# Altium PCB A8_multiple.PcbDoc (part 3 of 10)
Units mm, origin at the board's own origin, x right, y up, seen from the top; angles counter-clockwise.
Board outline 140 x 140 mm, 2 copper layers (Top Layer, Bottom Layer); 80 components, 0 nets, 928 pads, 160 vias.
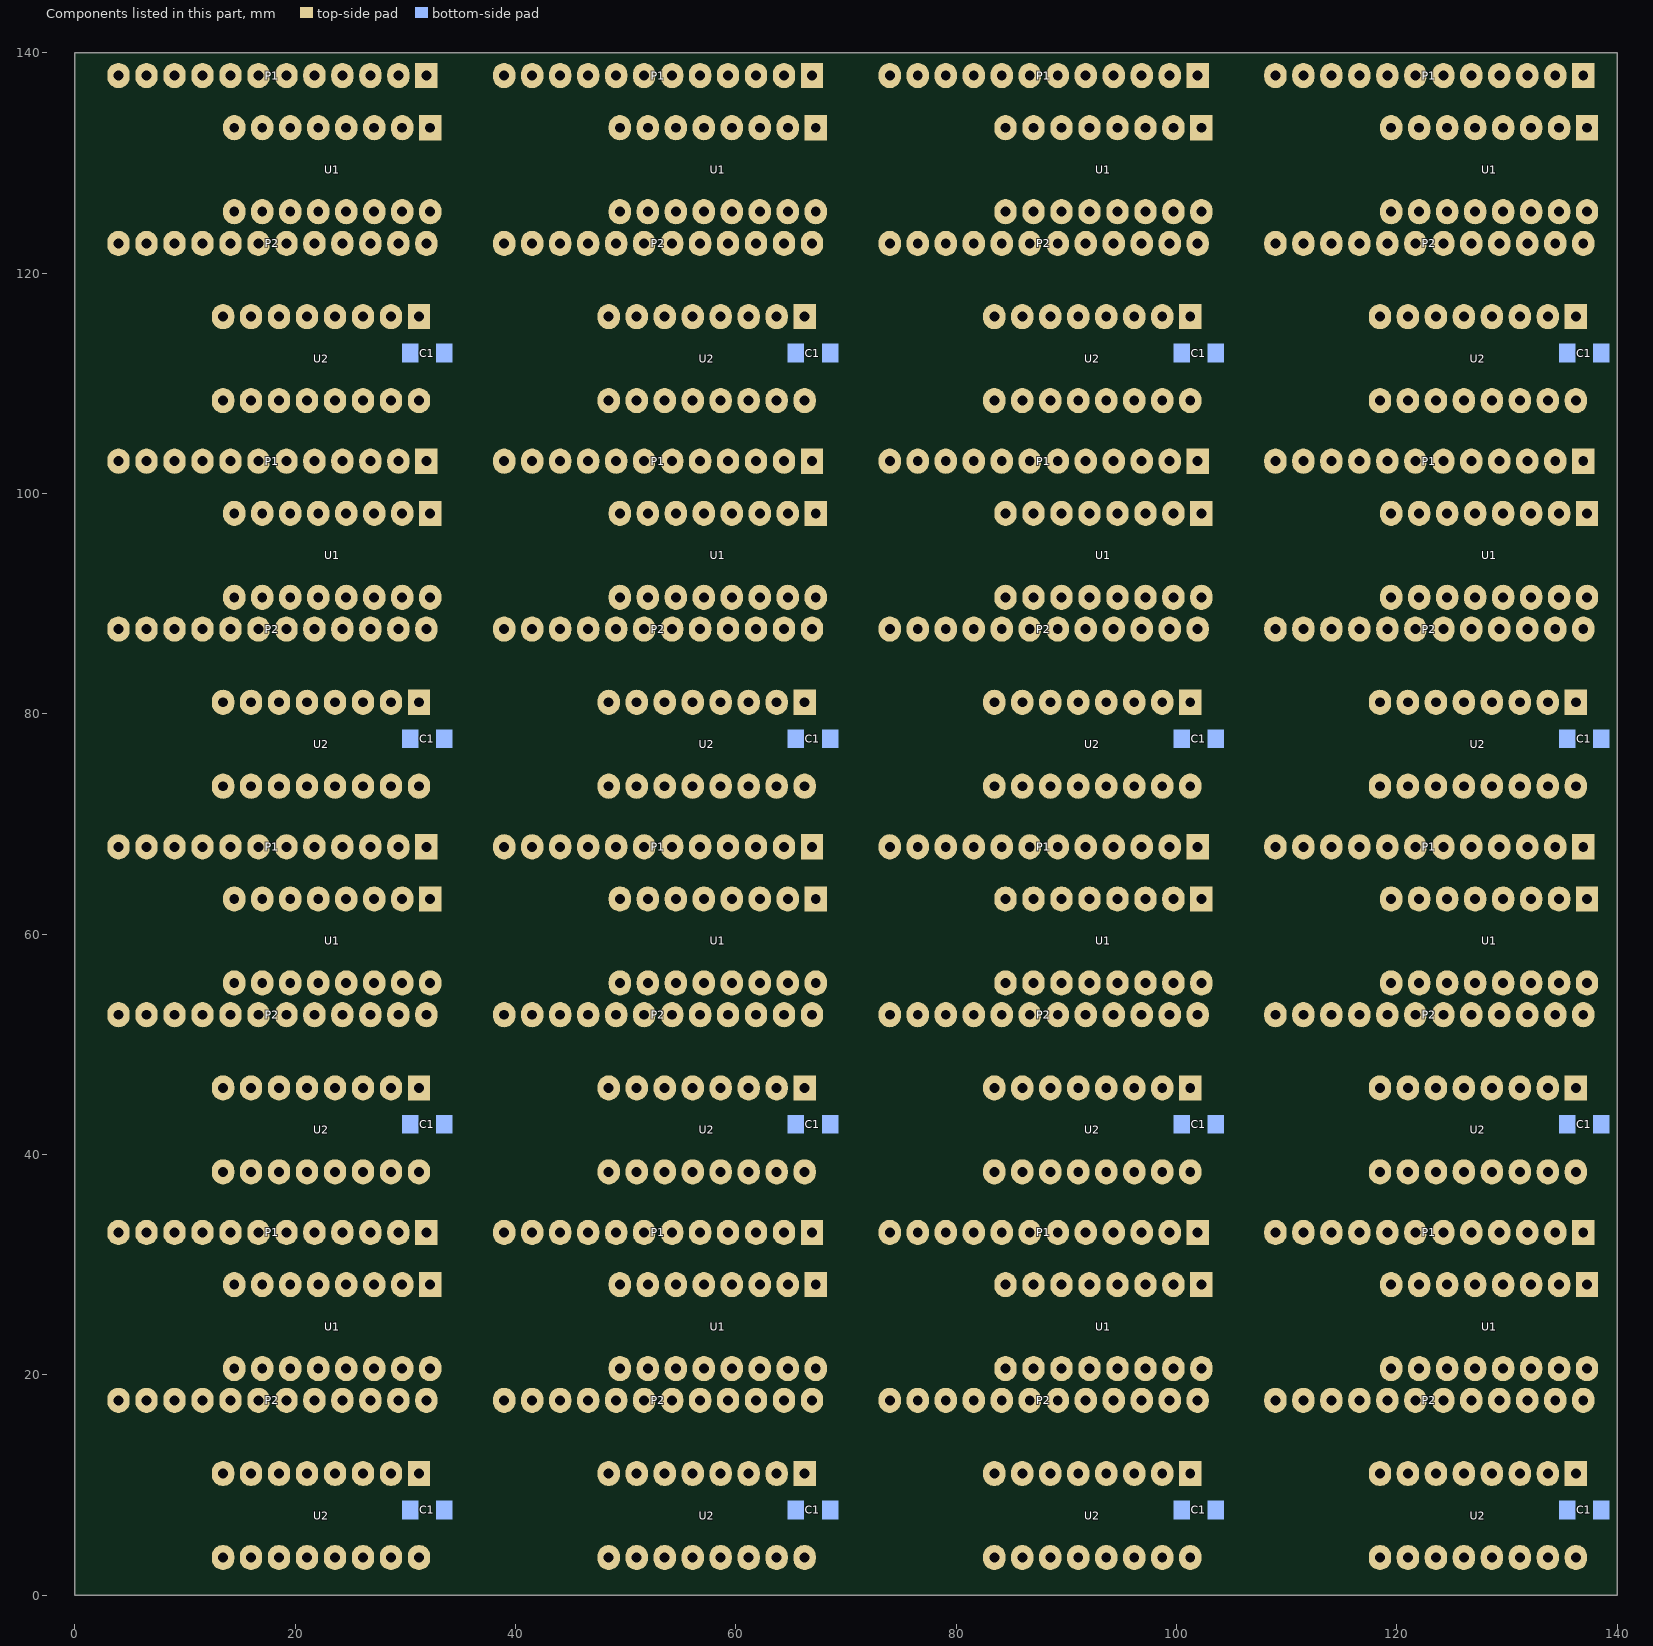
[diagram p3: the components of this part, seen from the top]

## Via types
v1: diameter 2.032, hole 0.711, Top Layer to Bottom Layer, 160 vias

## Nets (pads, with @x,y where several pads share a name; then routed paths per layer and width w, separated by ;. In a path a pad name is that pad's centre, name@x,y a point inside that pad or via, vN(x,y) a via of type N, cw(c..) or ccw(c..) an arc to the next point about the centre after c; other vN are vias at no path point) (continued)
copper on no net: (continued)
  Bottom Layer w0.406: 63.127,46.751 ccw(c61.74,48.138) 63.702,48.138 ccw(c65.664,48.138) 64.277,46.751 ; 63.127,74.131 ccw(c61.74,75.518) 63.702,75.518 ccw(c65.664,75.518) 64.277,74.131 ; 63.127,81.751 ccw(c61.74,83.138) 63.702,83.138 ccw(c65.664,83.138) 64.277,81.751 ; 63.127,109.131 ccw(c61.74,110.518) 63.702,110.518 ccw(c65.664,110.518) 64.277,109.131 ; 63.127,116.751 ccw(c61.74,118.138) 63.702,118.138 ccw(c65.664,118.138) 64.277,116.751 ; 63.702,3.429 63.702,5.715 61.543,7.874 54.177,7.874 52.907,9.144 47.635,9.144 46.684,10.095 46.684,12.09 48.564,13.97 51.002,13.97 52.907,15.875 53.707,15.875 54.215,16.383 ; 63.702,11.049 63.702,13.843 62.559,14.986 62.559,15.621 ; 63.702,38.429 63.702,40.715 61.543,42.874 54.177,42.874 52.907,44.144 47.635,44.144 46.684,45.095 46.684,47.09 48.564,48.97 51.002,48.97 52.907,50.875 53.707,50.875 54.215,51.383 ; 63.702,46.049 63.702,48.843 62.559,49.986 62.559,50.621 ; 63.702,73.429 63.702,75.715 61.543,77.874 54.177,77.874 52.907,79.144 47.635,79.144 46.684,80.095 46.684,82.09 48.564,83.97 51.002,83.97 52.907,85.875 53.707,85.875 54.215,86.383 ; 63.702,81.049 63.702,83.843 62.559,84.986 62.559,85.621 ; 63.702,108.429 63.702,110.715 61.543,112.874 54.177,112.874 52.907,114.144 47.635,114.144 46.684,115.095 46.684,117.09 48.564,118.97 51.002,118.97 52.907,120.875 53.707,120.875 54.215,121.383 ; 63.702,116.049 63.702,118.843 62.559,119.986 62.559,120.621 ; 64.316,21.408 ccw(c63.924,22.098) 64.718,22.098 ; 64.316,56.408 ccw(c63.924,57.098) 64.718,57.098 ; 64.316,91.408 ccw(c63.924,92.098) 64.718,92.098 ; 64.316,126.408 ccw(c63.924,127.098) 64.718,127.098 ; 64.718,20.574 64.718,22.098 ; 64.718,55.574 64.718,57.098 ; 64.718,90.574 64.718,92.098 ; 64.718,125.574 64.718,127.098 ; 65.12,21.408 cw(c65.512,22.098) 64.718,22.098 ; 65.12,56.408 cw(c65.512,57.098) 64.718,57.098 ; 65.12,91.408 cw(c65.512,92.098) 64.718,92.098 ; 65.12,126.408 cw(c65.512,127.098) 64.718,127.098 ; v1@73.362,15.434 ccw(c71.883,16.913) 73.975,16.913 ; v1@73.362,50.434 ccw(c71.883,51.913) 73.975,51.913 ; v1@73.362,85.434 ccw(c71.883,86.913) 73.975,86.913 ; v1@73.362,120.434 ccw(c71.883,121.913) 73.975,121.913 ; 73.4,16.989 cw(c72.013,15.602) 73.975,15.602 cw(c75.937,15.602) 74.55,16.989 ; 73.4,51.989 cw(c72.013,50.602) 73.975,50.602 cw(c75.937,50.602) 74.55,51.989 ; 73.4,86.989 cw(c72.013,85.602) 73.975,85.602 cw(c75.937,85.602) 74.55,86.989 ; 73.4,121.989 cw(c72.013,120.602) 73.975,120.602 cw(c75.937,120.602) 74.55,121.989 ; v1@73.546,15.572 ccw(c73.281,16.057) 73.815,16.2 ccw(c74.768,16.455) v1@74.312,15.58 ; v1@73.546,50.572 ccw(c73.281,51.057) 73.815,51.2 ccw(c74.768,51.455) v1@74.312,50.58 ; v1@73.546,85.572 ccw(c73.281,86.057) 73.815,86.2 ccw(c74.768,86.455) v1@74.312,85.58 ; v1@73.546,120.572 ccw(c73.281,121.057) 73.815,121.2 ccw(c74.768,121.455) v1@74.312,120.58 ; v1@73.569,15.584 ccw(c73.04,16.625) 74.168,16.323 ccw(c74.934,16.117) v1@74.442,15.496 ; v1@73.569,50.584 ccw(c73.04,51.625) 74.168,51.323 ccw(c74.934,51.117) v1@74.442,50.496 ; v1@73.569,85.584 ccw(c73.04,86.625) 74.168,86.323 ccw(c74.934,86.117) v1@74.442,85.496 ; v1@73.569,120.584 ccw(c73.04,121.625) 74.168,121.323 ccw(c74.934,121.117) v1@74.442,120.496 ; v1@73.65,15.146 ccw(c72.864,15.932) 73.975,15.932 ; v1@73.65,50.146 ccw(c72.864,50.932) 73.975,50.932 ; v1@73.65,85.146 ccw(c72.864,85.932) 73.975,85.932 ; v1@73.65,120.146 ccw(c72.864,120.932) 73.975,120.932 ; v1@73.87,27.746 cw(c72.483,26.359) 74.445,26.359 cw(c76.407,26.359) v1@75.02,27.746 ; v1@73.87,62.746 cw(c72.483,61.359) 74.445,61.359 cw(c76.407,61.359) v1@75.02,62.746 ; v1@73.87,97.746 cw(c72.483,96.359) 74.445,96.359 cw(c76.407,96.359) v1@75.02,97.746 ; v1@73.87,132.746 cw(c72.483,131.359) 74.445,131.359 cw(c76.407,131.359) v1@75.02,132.746 ; 73.975,16.73 ccw(c75.808,16.73) v1@74.512,15.434 ; 73.975,17.691 73.975,15.113 73.937,15.113 v1@74.064,14.986 ; 73.975,51.73 ccw(c75.808,51.73) v1@74.512,50.434 ; 73.975,52.691 73.975,50.113 73.937,50.113 v1@74.064,49.986 ; 73.975,86.73 ccw(c75.808,86.73) v1@74.512,85.434 ; 73.975,87.691 73.975,85.113 73.937,85.113 v1@74.064,84.986 ; 73.975,121.73 ccw(c75.808,121.73) v1@74.512,120.434 ; 73.975,122.691 73.975,120.113 73.937,120.113 v1@74.064,119.986 ; v1(74.445,28.321) 74.445,22.86 70.889,19.304 70.889,6.985 76.985,0.889 87.653,0.889 88.542,1.778 ; v1(74.445,63.321) 74.445,57.86 70.889,54.304 70.889,41.985 76.985,35.889 87.653,35.889 88.542,36.778 ; v1(74.445,98.321) 74.445,92.86 70.889,89.304 70.889,76.985 76.985,70.889 87.653,70.889 88.542,71.778 ; v1(74.445,133.321) 74.445,127.86 70.889,124.304 70.889,111.985 76.985,105.889 87.653,105.889 88.542,106.778 ; 75.94,16.989 cw(c74.553,15.602) 76.515,15.602 cw(c78.477,15.602) 77.09,16.989 ; 75.94,32.229 cw(c74.553,30.842) 76.515,30.842 cw(c78.477,30.842) 77.09,32.229 ; 75.94,51.989 cw(c74.553,50.602) 76.515,50.602 cw(c78.477,50.602) 77.09,51.989 ; 75.94,67.229 cw(c74.553,65.842) 76.515,65.842 cw(c78.477,65.842) 77.09,67.229 ; 75.94,86.989 cw(c74.553,85.602) 76.515,85.602 cw(c78.477,85.602) 77.09,86.989 ; 75.94,102.229 cw(c74.553,100.842) 76.515,100.842 cw(c78.477,100.842) 77.09,102.229 ; 75.94,121.989 cw(c74.553,120.602) 76.515,120.602 cw(c78.477,120.602) 77.09,121.989 ; 75.94,137.229 cw(c74.553,135.842) 76.515,135.842 cw(c78.477,135.842) 77.09,137.229 ; 76.092,18.512 ccw(c75.632,19.266) 76.515,19.266 ; 76.092,53.512 ccw(c75.632,54.266) 76.515,54.266 ; 76.092,88.512 ccw(c75.632,89.266) 76.515,89.266 ; 76.092,123.512 ccw(c75.632,124.266) 76.515,124.266 ; 76.515,32.931 76.515,24.892 ; 76.515,67.931 76.515,59.892 ; 76.515,102.931 76.515,94.892 ; 76.515,137.931 76.515,129.892 ; 76.938,18.512 cw(c77.398,19.266) 76.515,19.266 ; 76.938,53.512 cw(c77.398,54.266) 76.515,54.266 ; 76.938,88.512 cw(c77.398,89.266) 76.515,89.266 ; 76.938,123.512 cw(c77.398,124.266) 76.515,124.266 ; v1@77.68,28.896 ccw(c76.293,30.283) 78.255,30.283 ccw(c80.217,30.283) v1@78.83,28.896 ; v1@77.68,63.896 ccw(c76.293,65.283) 78.255,65.283 ccw(c80.217,65.283) v1@78.83,63.896 ; v1@77.68,98.896 ccw(c76.293,100.283) 78.255,100.283 ccw(c80.217,100.283) v1@78.83,98.896 ; v1@77.68,133.896 ccw(c76.293,135.283) 78.255,135.283 ccw(c80.217,135.283) v1@78.83,133.896 ; v1@77.759,27.677 cw(c76.985,26.67) 78.255,26.67 ; v1@77.759,62.677 cw(c76.985,61.67) 78.255,61.67 ; v1@77.759,97.677 cw(c76.985,96.67) 78.255,96.67 ; v1@77.759,132.677 cw(c76.985,131.67) 78.255,131.67 ; 78.653,32.097 cw(c78.261,31.407) 79.055,31.407 ; 78.653,67.097 cw(c78.261,66.407) 79.055,66.407 ; 78.653,102.097 cw(c78.261,101.407) 79.055,101.407 ; 78.653,137.097 cw(c78.261,136.407) 79.055,136.407 ; v1@78.751,27.677 ccw(c79.525,26.67) 78.255,26.67 ; v1@78.751,62.677 ccw(c79.525,61.67) 78.255,61.67 ; v1@78.751,97.677 ccw(c79.525,96.67) 78.255,96.67 ; v1@78.751,132.677 ccw(c79.525,131.67) 78.255,131.67 ; 79.055,32.931 79.055,31.407 ; 79.055,67.931 79.055,66.407 ; 79.055,102.931 79.055,101.407 ; 79.055,137.931 79.055,136.407 ; 79.457,32.097 ccw(c79.849,31.407) 79.055,31.407 ; 79.457,67.097 ccw(c79.849,66.407) 79.055,66.407 ; 79.457,102.097 ccw(c79.849,101.407) 79.055,101.407 ; 79.457,137.097 ccw(c79.849,136.407) 79.055,136.407 ; 80.178,30.692 ccw(c77.476,32.606) 80.783,32.765 ; 80.178,65.692 ccw(c77.476,67.606) 80.783,67.765 ; 80.178,100.692 ccw(c77.476,102.606) 80.783,102.765 ; 80.178,135.692 ccw(c77.476,137.606) 80.783,137.765 ; 80.466,30.913 ccw(c78.714,32.665) 81.189,32.784 ; 80.466,65.913 ccw(c78.714,67.665) 81.189,67.784 ; 80.466,100.913 ccw(c78.714,102.665) 81.189,102.784 ; 80.466,135.913 ccw(c78.714,137.665) 81.189,137.784 ; 81.033,16.977 cw(c79.769,15.659) 81.595,15.659 ; 81.033,51.977 cw(c79.769,50.659) 81.595,50.659 ; 81.033,86.977 cw(c79.769,85.659) 81.595,85.659 ; 81.033,121.977 cw(c79.769,120.659) 81.595,120.659 ; 81.115,31.562 ccw(c79.953,32.725) 81.595,32.804 ; 81.115,66.562 ccw(c79.953,67.725) 81.595,67.804 ; 81.115,101.562 ccw(c79.953,102.725) 81.595,102.804 ; 81.115,136.562 ccw(c79.953,137.725) 81.595,137.804 ; 81.595,17.691 81.595,15.659 ; 81.595,32.931 81.595,32.042 80.135,30.582 80.135,26.187 82.319,24.003 90.955,24.003 92.098,22.86 92.098,20.574 ; 81.595,52.691 81.595,50.659 ; 81.595,67.931 81.595,67.042 80.135,65.582 80.135,61.187 82.319,59.003 90.955,59.003 92.098,57.86 92.098,55.574 ; 81.595,87.691 81.595,85.659 ; 81.595,102.931 81.595,102.042 80.135,100.582 80.135,96.187 82.319,94.003 90.955,94.003 92.098,92.86 92.098,90.574 ; 81.595,122.691 81.595,120.659 ; 81.595,137.931 81.595,137.042 80.135,135.582 80.135,131.187 82.319,129.003 90.955,129.003 92.098,127.86 92.098,125.574 ; 82.157,16.977 ccw(c83.421,15.659) 81.595,15.659 ; 82.157,51.977 ccw(c83.421,50.659) 81.595,50.659 ; 82.157,86.977 ccw(c83.421,85.659) 81.595,85.659 ; 82.157,121.977 ccw(c83.421,120.659) 81.595,120.659 ; 82.658,31.2 ccw(c81.053,32.804) 83.322,32.804 ; 82.658,66.2 ccw(c81.053,67.804) 83.322,67.804 ; 82.658,101.2 ccw(c81.053,102.804) 83.322,102.804 ; 82.658,136.2 ccw(c81.053,137.804) 83.322,137.804 ; 82.847,2.897 ccw(c81.684,1.891) 81.684,3.429 ; 82.847,3.961 cw(c81.684,4.967) 81.684,3.429 ; 82.847,37.897 ccw(c81.684,36.891) 81.684,38.429 ; 82.847,38.961 cw(c81.684,39.967) 81.684,38.429 ; 82.847,72.897 ccw(c81.684,71.891) 81.684,73.429 ; 82.847,73.961 cw(c81.684,74.967) 81.684,73.429 ; 82.847,107.897 ccw(c81.684,106.891) 81.684,108.429 ; 82.847,108.961 cw(c81.684,109.967) 81.684,108.429 ; 82.964,31.506 cw(c84.135,30.336) 84.135,31.991 ; 82.964,66.506 cw(c84.135,65.336) 84.135,66.991 ; 82.964,101.506 cw(c84.135,100.336) 84.135,101.991 ; 82.964,136.506 cw(c84.135,135.336) 84.135,136.991 ; 83.351,31.893 ccw(c82.441,32.804) 83.729,32.804 ; 83.351,66.893 ccw(c82.441,67.804) 83.729,67.804 ; 83.351,101.893 ccw(c82.441,102.804) 83.729,102.804 ; 83.351,136.893 ccw(c82.441,137.804) 83.729,137.804 ; 83.462,3.429 81.684,3.429 ; 83.462,38.429 81.684,38.429 ; 83.462,73.429 81.684,73.429 ; 83.462,108.429 81.684,108.429 ; 83.467,17.1 cw(c82.516,16.44) 83.335,15.621 ; 83.467,52.1 cw(c82.516,51.44) 83.335,50.621 ; 83.467,87.1 cw(c82.516,86.44) 83.335,85.621 ; 83.467,122.1 cw(c82.516,121.44) 83.335,120.621 ; 83.679,15.965 ccw(c82.922,16.722) 83.801,17.332 ; 83.679,50.965 ccw(c82.922,51.722) 83.801,52.332 ; 83.679,85.965 ccw(c82.922,86.722) 83.801,87.332 ; 83.679,120.965 ccw(c82.922,121.722) 83.801,122.332 ; 83.868,16.796 cw(c83.738,16.421) 84.135,16.421 ; 83.868,51.796 cw(c83.738,51.421) 84.135,51.421 ; 83.868,86.796 cw(c83.738,86.421) 84.135,86.421 ; 83.868,121.796 cw(c83.738,121.421) 84.135,121.421 ; 84.023,16.309 ccw(c83.328,17.004) 84.135,17.564 ; 84.023,51.309 ccw(c83.328,52.004) 84.135,52.564 ; 84.023,86.309 ccw(c83.328,87.004) 84.135,87.564 ; 84.023,121.309 ccw(c83.328,122.004) 84.135,122.564 ; 84.135,17.691 84.135,16.421 ; 84.135,32.931 84.135,32.677 81.049,29.591 81.049,26.351 82.635,24.765 92.987,24.765 94.638,23.114 94.638,20.574 ; 84.135,52.691 84.135,51.421 ; 84.135,67.931 84.135,67.677 81.049,64.591 81.049,61.351 82.635,59.765 92.987,59.765 94.638,58.114 94.638,55.574 ; 84.135,87.691 84.135,86.421 ; 84.135,102.931 84.135,102.677 81.049,99.591 81.049,96.351 82.635,94.765 92.987,94.765 94.638,93.114 94.638,90.574 ; 84.135,122.691 84.135,121.421 ; 84.135,137.931 84.135,137.677 81.049,134.591 81.049,131.351 82.635,129.765 92.987,129.765 94.638,128.114 94.638,125.574 ; 84.402,16.796 ccw(c84.532,16.421) 84.135,16.421 ; 84.402,51.796 ccw(c84.532,51.421) 84.135,51.421 ; 84.402,86.796 ccw(c84.532,86.421) 84.135,86.421 ; 84.402,121.796 ccw(c84.532,121.421) 84.135,121.421 ; 84.478,20.574 83.462,21.59 80.16,21.59 78.865,22.885 76.883,22.885 75.969,21.971 75.969,19.812 76.515,19.266 ; 84.478,55.574 83.462,56.59 80.16,56.59 78.865,57.885 76.883,57.885 75.969,56.971 75.969,54.812 76.515,54.266 ; 84.478,90.574 83.462,91.59 80.16,91.59 78.865,92.885 76.883,92.885 75.969,91.971 75.969,89.812 76.515,89.266 ; 84.478,125.574 83.462,126.59 80.16,126.59 78.865,127.885 76.883,127.885 75.969,126.971 75.969,124.812 76.515,124.266 ; 85.339,2.831 cw(c84.591,2.3) 85.24,1.651 ; 85.339,37.831 cw(c84.591,37.3) 85.24,36.651 ; 85.339,72.831 cw(c84.591,72.3) 85.24,71.651 ; 85.339,107.831 cw(c84.591,107.3) 85.24,106.651 ; 85.58,1.991 ccw(c84.989,2.582) 85.671,3.067 ; 85.58,36.991 ccw(c84.989,37.582) 85.671,38.067 ; 85.58,71.991 ccw(c84.989,72.582) 85.671,73.067 ; 85.58,106.991 ccw(c84.989,107.582) 85.671,108.067 ; 86.002,3.429 86.002,2.413 85.24,1.651 ; 86.002,38.429 86.002,37.413 85.24,36.651 ; 86.002,73.429 86.002,72.413 85.24,71.651 ; 86.002,108.429 86.002,107.413 85.24,106.651 ; 86.055,32.278 cw(c85.328,31.662) 86.002,30.988 ; 86.055,67.278 cw(c85.328,66.662) 86.002,65.988 ; 86.055,102.278 cw(c85.328,101.662) 86.002,100.988 ; 86.055,137.278 cw(c85.328,136.662) 86.002,135.988 ; 86.314,31.3 ccw(c85.666,31.948) 86.365,32.541 ; 86.314,66.3 ccw(c85.666,66.948) 86.365,67.541 ; 86.314,101.3 ccw(c85.666,101.948) 86.365,102.541 ; 86.314,136.3 ccw(c85.666,136.948) 86.365,137.541 ; 86.335,16.826 cw(c86.089,16.294) 86.675,16.294 ; 86.335,51.826 cw(c86.089,51.294) 86.675,51.294 ; 86.335,86.826 cw(c86.089,86.294) 86.675,86.294 ; 86.335,121.826 cw(c86.089,121.294) 86.675,121.294 ; 86.408,32.036 cw(c86.278,31.661) 86.675,31.661 ; 86.408,67.036 cw(c86.278,66.661) 86.675,66.661 ; 86.408,102.036 cw(c86.278,101.661) 86.675,101.661 ; 86.408,137.036 cw(c86.278,136.661) 86.675,136.661 ; 86.626,31.612 ccw(c86.003,32.235) 86.675,32.804 ; 86.626,66.612 ccw(c86.003,67.235) 86.675,67.804 ; 86.626,101.612 ccw(c86.003,102.235) 86.675,102.804 ; 86.626,136.612 ccw(c86.003,137.235) 86.675,137.804 ; 86.675,17.691 86.675,16.294 ; 86.675,32.931 86.675,31.661 ; 86.675,52.691 86.675,51.294 ; 86.675,67.931 86.675,66.661 ; 86.675,87.691 86.675,86.294 ; 86.675,102.931 86.675,101.661 ; 86.675,122.691 86.675,121.294 ; 86.675,137.931 86.675,136.661 ; 86.678,21.439 ccw(c86.432,21.971) 87.018,21.971 ; 86.678,56.439 ccw(c86.432,56.971) 87.018,56.971 ; 86.678,91.439 ccw(c86.432,91.971) 87.018,91.971 ; 86.678,126.439 ccw(c86.432,126.971) 87.018,126.971 ; 86.942,32.036 ccw(c87.072,31.661) 86.675,31.661 ; 86.942,67.036 ccw(c87.072,66.661) 86.675,66.661 ; 86.942,102.036 ccw(c87.072,101.661) 86.675,101.661 ; 86.942,137.036 ccw(c87.072,136.661) 86.675,136.661 ; 87.015,16.826 ccw(c87.261,16.294) 86.675,16.294 ; 87.015,51.826 ccw(c87.261,51.294) 86.675,51.294 ; 87.015,86.826 ccw(c87.261,86.294) 86.675,86.294 ; 87.015,121.826 ccw(c87.261,121.294) 86.675,121.294 ; 87.018,20.574 87.018,21.971 ; 87.018,55.574 87.018,56.971 ; 87.018,90.574 87.018,91.971 ; 87.018,125.574 87.018,126.971 ; 87.358,21.439 cw(c87.604,21.971) 87.018,21.971 ; 87.358,56.439 cw(c87.604,56.971) 87.018,56.971 ; 87.358,91.439 cw(c87.604,91.971) 87.018,91.971 ; 87.358,126.439 cw(c87.604,126.971) 87.018,126.971 ; 87.558,30.766 ccw(c85.52,32.804) 88.402,32.804 ; 87.558,65.766 ccw(c85.52,67.804) 88.402,67.804 ; 87.558,100.766 ccw(c85.52,102.804) 88.402,102.804 ; 87.558,135.766 ccw(c85.52,137.804) 88.402,137.804 ; 88.089,2.627 cw(c87.52,1.778) 88.542,1.778 ; 88.089,37.627 cw(c87.52,36.778) 88.542,36.778 ; 88.089,72.627 cw(c87.52,71.778) 88.542,71.778 ; 88.089,107.627 cw(c87.52,106.778) 88.542,106.778 ; 88.252,31.46 ccw(c86.908,32.804) 88.809,32.804 ; 88.252,66.46 ccw(c86.908,67.804) 88.809,67.804 ; 88.252,101.46 ccw(c86.908,102.804) 88.809,102.804 ; 88.252,136.46 ccw(c86.908,137.804) 88.809,137.804 ; 88.478,31.686 cw(c89.215,30.949) 89.215,31.991 ; 88.478,66.686 cw(c89.215,65.949) 89.215,66.991 ; 88.478,101.686 cw(c89.215,100.949) 89.215,101.991 ; 88.478,136.686 cw(c89.215,135.949) 89.215,136.991 ; 88.542,3.429 88.542,1.778 ; 88.542,38.429 88.542,36.778 ; 88.542,73.429 88.542,71.778 ; 88.542,108.429 88.542,106.778 ; 88.925,16.805 cw(c88.763,16.383) 89.215,16.383 ; 88.925,51.805 cw(c88.763,51.383) 89.215,51.383 ; 88.925,86.805 cw(c88.763,86.383) 89.215,86.383 ; 88.925,121.805 cw(c88.763,121.383) 89.215,121.383 ; 88.995,2.627 ccw(c89.564,1.778) 88.542,1.778 ; 88.995,37.627 ccw(c89.564,36.778) 88.542,36.778 ; 88.995,72.627 ccw(c89.564,71.778) 88.542,71.778 ; 88.995,107.627 ccw(c89.564,106.778) 88.542,106.778 ; 89.156,21.408 ccw(c88.764,22.098) 89.558,22.098 ; 89.156,56.408 ccw(c88.764,57.098) 89.558,57.098 ; 89.156,91.408 ccw(c88.764,92.098) 89.558,92.098 ; 89.156,126.408 ccw(c88.764,127.098) 89.558,127.098 ; 89.215,17.691 89.215,16.383 ; 89.215,32.931 89.215,32.423 87.018,30.226 83.843,30.226 82.573,28.956 82.573,27.113 83.397,26.289 95.527,26.289 99.718,22.098 ; 89.215,52.691 89.215,51.383 ; 89.215,67.931 89.215,67.423 87.018,65.226 83.843,65.226 82.573,63.956 82.573,62.113 83.397,61.289 95.527,61.289 99.718,57.098 ; 89.215,87.691 89.215,86.383 ; 89.215,102.931 89.215,102.423 87.018,100.226 83.843,100.226 82.573,98.956 82.573,97.113 83.397,96.289 95.527,96.289 99.718,92.098 ; 89.215,122.691 89.215,121.383 ; 89.215,137.931 89.215,137.423 87.018,135.226 83.843,135.226 82.573,133.956 82.573,132.113 83.397,131.289 95.527,131.289 99.718,127.098 ; 89.505,16.805 ccw(c89.667,16.383) 89.215,16.383 ; 89.505,51.805 ccw(c89.667,51.383) 89.215,51.383 ; 89.505,86.805 ccw(c89.667,86.383) 89.215,86.383 ; 89.505,121.805 ccw(c89.667,121.383) 89.215,121.383 ; 89.558,20.574 89.558,22.098 ; 89.558,55.574 89.558,57.098 ; 89.558,90.574 89.558,92.098 ; 89.558,125.574 89.558,127.098 ; 89.96,21.408 cw(c90.352,22.098) 89.558,22.098 ; 89.96,56.408 cw(c90.352,57.098) 89.558,57.098 ; 89.96,91.408 cw(c90.352,92.098) 89.558,92.098 ; 89.96,126.408 cw(c90.352,127.098) 89.558,127.098 ; 90.507,11.751 ccw(c87.893,14.365) 91.59,14.365 ; 90.507,46.751 ccw(c87.893,49.365) 91.59,49.365 ; 90.507,81.751 ccw(c87.893,84.365) 91.59,84.365 ; 90.507,116.751 ccw(c87.893,119.365) 91.59,119.365 ; 90.742,4.294 ccw(c90.496,4.826) 91.082,4.826 ; 90.742,39.294 ccw(c90.496,39.826) 91.082,39.826 ; 90.742,74.294 ccw(c90.496,74.826) 91.082,74.826 ; 90.742,109.294 ccw(c90.496,109.826) 91.082,109.826 ; 90.795,11.463 ccw(c88.874,13.384) 91.59,13.384 ; 90.795,46.463 ccw(c88.874,48.384) 91.59,48.384 ; 90.795,81.463 ccw(c88.874,83.384) 91.59,83.384 ; 90.795,116.463 ccw(c88.874,118.384) 91.59,118.384 ; 91.082,3.429 91.082,4.826 ; 91.082,11.049 91.59,11.557 91.59,17.526 91.755,17.691 ; 91.082,11.176 ccw(c89.856,12.402) 91.59,12.402 ; 91.082,38.429 91.082,39.826 ; 91.082,46.049 91.59,46.557 91.59,52.526 91.755,52.691 ; 91.082,46.176 ccw(c89.856,47.402) 91.59,47.402 ; 91.082,73.429 91.082,74.826 ; 91.082,81.049 91.59,81.557 91.59,87.526 91.755,87.691 ; 91.082,81.176 ccw(c89.856,82.402) 91.59,82.402 ; 91.082,108.429 91.082,109.826 ; 91.082,116.049 91.59,116.557 91.59,122.526 91.755,122.691 ; 91.082,116.176 ccw(c89.856,117.402) 91.59,117.402 ; 91.18,16.989 cw(c90.191,16) 91.59,16 ; 91.18,51.989 cw(c90.191,51) 91.59,51 ; 91.18,86.989 cw(c90.191,86) 91.59,86 ; 91.18,121.989 cw(c90.191,121) 91.59,121 ; 91.422,4.294 cw(c91.668,4.826) 91.082,4.826 ; 91.422,39.294 cw(c91.668,39.826) 91.082,39.826 ; 91.422,74.294 cw(c91.668,74.826) 91.082,74.826 ; 91.422,109.294 cw(c91.668,109.826) 91.082,109.826 ; 91.523,21.276 ccw(c90.136,22.663) 92.098,22.663 ccw(c94.06,22.663) 92.673,21.276 ; 91.523,56.276 ccw(c90.136,57.663) 92.098,57.663 ccw(c94.06,57.663) 92.673,56.276 ; 91.523,91.276 ccw(c90.136,92.663) 92.098,92.663 ccw(c94.06,92.663) 92.673,91.276 ; 91.523,126.276 ccw(c90.136,127.663) 92.098,127.663 ccw(c94.06,127.663) 92.673,126.276 ; 91.59,15.203 cw(c94.116,15.203) 92.33,16.989 ; 91.59,16.185 cw(c93.134,16.185) 92.042,17.277 ; 91.59,50.203 cw(c94.116,50.203) 92.33,51.989 ; 91.59,51.185 cw(c93.134,51.185) 92.042,52.277 ; 91.59,85.203 cw(c94.116,85.203) 92.33,86.989 ; 91.59,86.185 cw(c93.134,86.185) 92.042,87.277 ; 91.59,120.203 cw(c94.116,120.203) 92.33,121.989 ; 91.59,121.185 cw(c93.135,121.185) 92.042,122.277 ; 93.047,11.751 ccw(c91.66,13.138) 93.622,13.138 ccw(c95.584,13.138) 94.197,11.751 ; 93.047,46.751 ccw(c91.66,48.138) 93.622,48.138 ccw(c95.584,48.138) 94.197,46.751 ; 93.047,81.751 ccw(c91.66,83.138) 93.622,83.138 ccw(c95.584,83.138) 94.197,81.751 ; 93.047,116.751 ccw(c91.66,118.138) 93.622,118.138 ccw(c95.584,118.138) 94.197,116.751 ; 93.126,4.2 ccw(c92.352,5.207) 93.622,5.207 ; 93.126,39.2 ccw(c92.352,40.207) 93.622,40.207 ; 93.126,74.2 ccw(c92.352,75.207) 93.622,75.207 ; 93.126,109.2 ccw(c92.352,110.207) 